# Altium PCB MOTHER_BOARD_LS1021_v1.0.PcbDoc (part 9 of 15) (continued)
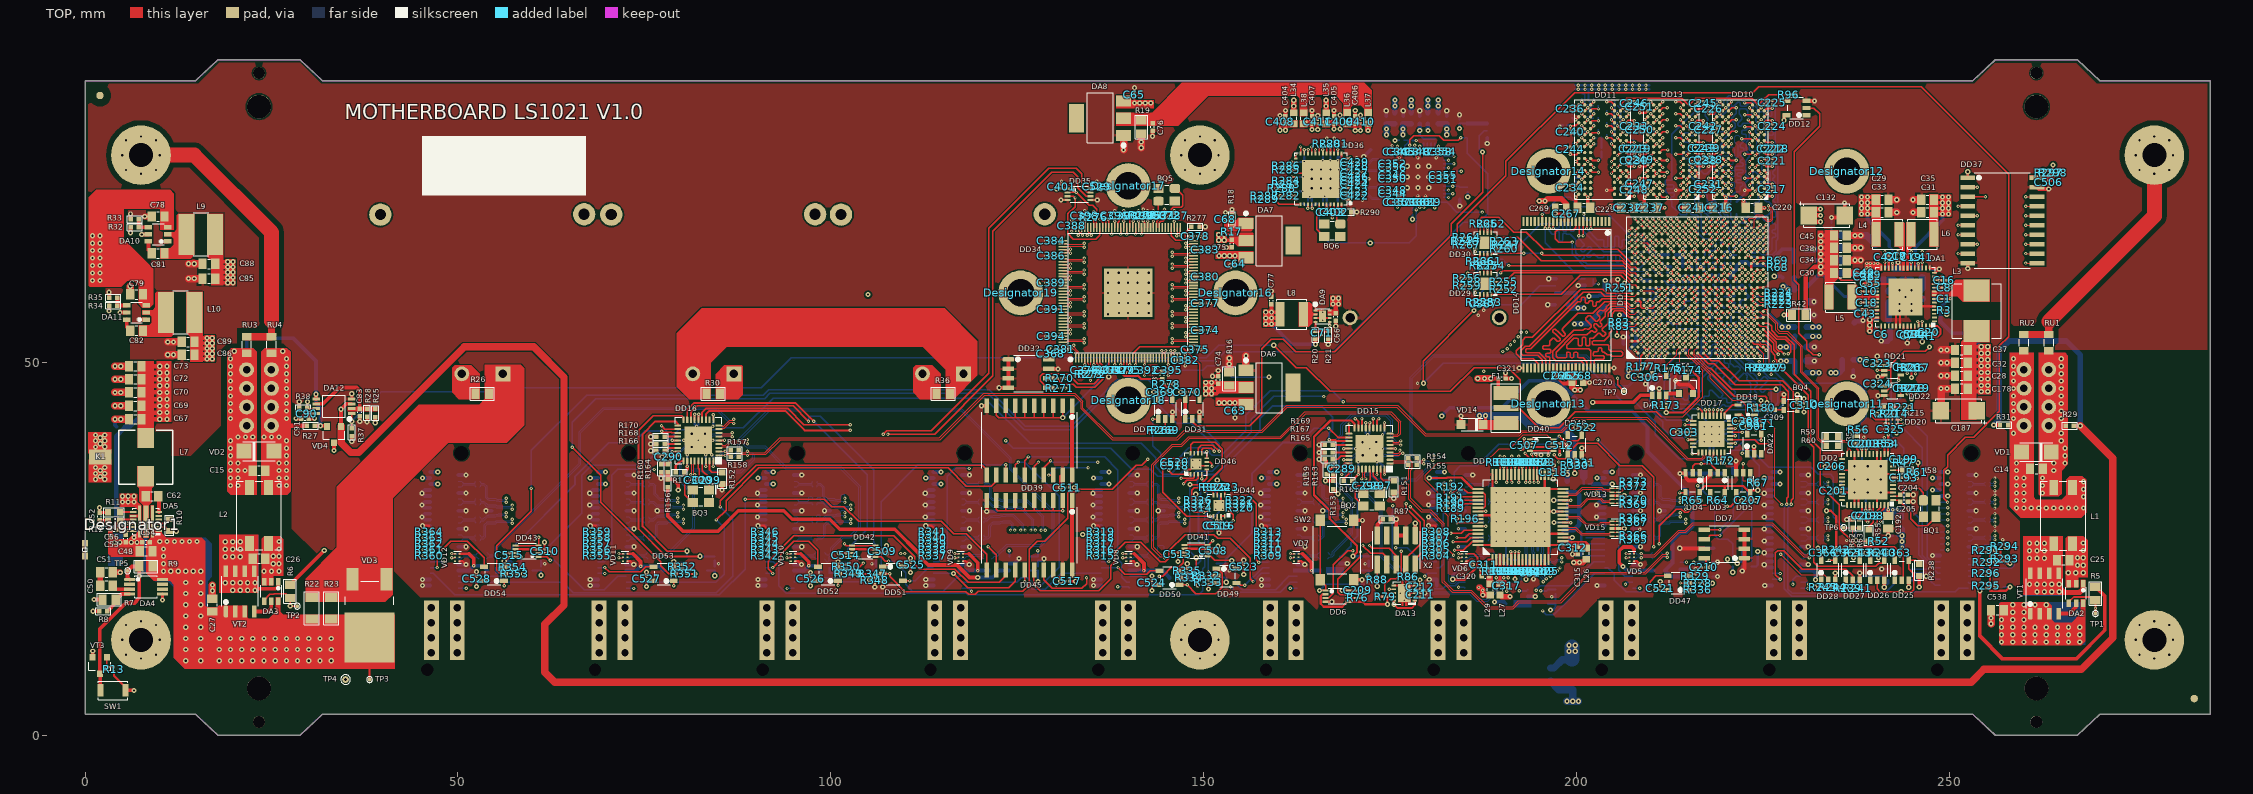
[diagram p0: TOP view]
## Nets (pads, with @x,y where several pads share a name; then routed paths per layer and width w, separated by ;. In a path a pad name is that pad's centre, name@x,y a point inside that pad or via, vN(x,y) a via of type N, cw(c..) or ccw(c..) an arc to the next point about the centre after c; other vN are vias at no path point) (continued)
HUB1_USB2_D_P: DD15.4 R130.2 | length 54.2
  TOP w0.15: DD15.4@175,37.95 175.31,37.95 175.435,37.825 175.779,37.825 176.15,37.825 176.375,38.05 176.375,38.175 v1(176.331,38.219)
  BOTTOM w0.15: v1(176.331,38.219) 176.274,38.161 176.274,37.949 176,37.675 174.15,37.675 173.5,38.325 172.796,38.325 172.521,38.05 171.946,38.05 171.671,38.325 170.871,38.325 169.616,37.069 169.616,34.396 173.675,30.337 173.675,23.926 177.43,20.171 177.43,19.817 178.934,18.312 179.986,18.312 180.248,18.575 180.25,18.575 180.671,18.996 185.654,18.996 186.65,18 188.104,18 190.304,20.2 192.124,20.2 192.261,20.337 192.609,20.685 192.682,20.758 192.682,21.573 192.609,21.646 191.419,22.836 190.816,22.836 190.128,23.524 190.128,23.938 189.791,24.275 189.063,24.275 188.975,24.363 188.975,24.375 R130.2@188.75,24.6
HUB1_USB2_PWR: DA15.1 L19.1
HUB1_USB3_D_N: DD15.6 R131.2 | length 33.7
  TOP w0.15: DD15.6@175,38.95 175.31,38.95 175.435,39.075 176.194,39.075 176.344,38.925 v1(176.425,38.925)
  BOTTOM w0.15: R131.2@166.65,23.65 166.875,23.875 166.875,23.887 166.963,23.975 167.279,23.975 167.513,24.209 167.513,24.534 170.026,27.047 170.026,31.709 167.693,34.042 167.693,39.33 168.644,40.281 168.644,41.52 169.982,42.858 174.378,42.858 175.113,42.123 175.113,39.815 175.853,39.075 176.194,39.075 176.344,38.925 v1(176.425,38.925)
HUB1_USB3_D_P: DD15.7 R132.2 | length 33.7
  TOP w0.15: DD15.7@175,39.45 175.31,39.45 175.435,39.325 176.194,39.325 176.344,39.475 v1(176.425,39.475)
  BOTTOM w0.15: R132.2@166.65,24.55 166.875,24.325 166.875,24.313 166.963,24.225 167.175,24.225 167.263,24.313 167.263,24.638 169.776,27.151 169.776,31.605 167.443,33.938 167.443,39.434 168.394,40.385 168.394,41.623 169.878,43.108 174.482,43.108 175.363,42.227 175.363,39.918 175.956,39.325 176.194,39.325 176.344,39.475 v1(176.425,39.475)
HUB1_USB3_PWR: DA16.1 L20.1
HUB1_USB4_D_N: DD15.8 R133.2 | length 54.6
  TOP w0.15: v1(144.75,23.823) 144.669,23.823 144.519,23.973 144.212,23.973 143.075,25.111 143.075,36.311 145.789,39.025 146.996,39.025 148.031,40.06 160.256,40.06 163.566,43.37 175.134,43.37 176.425,42.079 176.425,40.446 176.054,40.075 175.675,40.075 175.435,40.075 175.31,39.95 DD15.8@175,39.95
  BOTTOM w0.15: R133.2@143.825,23.65 144.05,23.875 144.05,23.887 144.138,23.975 144.517,23.975 144.669,23.823 v1(144.75,23.823)
HUB1_USB4_D_P: DD15.9 R134.2 | length 54.6
  TOP w0.15: v1(144.75,24.373) 144.669,24.373 144.519,24.223 144.316,24.223 143.325,25.214 143.325,36.207 145.893,38.775 147.1,38.775 148.135,39.81 160.36,39.81 163.67,43.12 175.03,43.12 176.175,41.975 176.175,40.55 175.95,40.325 175.779,40.325 175.435,40.325 175.31,40.45 DD15.9@175,40.45
  BOTTOM w0.15: R134.2@143.825,24.55 143.825,25.275 144.05,25.5 144.525,25.5 144.75,25.275 v1(144.75,24.373)
HUB1_USB4_PWR: DA17.1 L21.1
HUB2_USB1_D_N: DD16.1 R135.2 R158.1 | length 71
  TOP w0.15: DD16.1@85,37.55 85.012,37.537 85.806,37.537 v1(85.819,37.525) 85.9,37.525 86.05,37.675 86.262,37.675 86.35,37.587 86.35,37.575 R158.1@86.575,37.35
  BOTTOM w0.15: v1(85.819,37.525) 85.738,37.525 85.588,37.675 85.403,37.675 85.075,37.347 85.075,37.05 85.3,36.825 86.146,36.825 87.525,38.204 87.525,39.629 91.682,43.785 117.598,43.785 124.233,37.15 124.233,35.763 129.95,30.046 129.95,27.071 128.254,25.375 123.704,25.375 122.329,24 122.121,24 121.913,24 121.825,23.912 121.825,23.9 R135.2@121.6,23.675
HUB2_USB1_D_P: DD16.2 R136.2 R157.1 | length 71
  TOP w0.15: DD16.2@85,38.05 85.012,38.062 85.806,38.062 v1(85.819,38.075) 85.9,38.075 86.05,37.925 86.262,37.925 86.35,38.013 86.35,38.025 R157.1@86.575,38.25
  BOTTOM w0.15: v1(85.819,38.075) 85.738,38.075 85.588,37.925 85.3,37.925 84.825,37.45 84.825,36.946 85.196,36.575 86.25,36.575 87.775,38.1 87.775,39.525 91.785,43.535 117.495,43.535 123.983,37.047 123.983,35.66 129.7,29.943 129.7,27.175 128.15,25.625 123.6,25.625 122.225,24.25 121.913,24.25 121.825,24.338 121.825,24.35 R136.2@121.6,24.575
HUB2_USB1_PWR: DA18.1 L22.1 R156.1 | length 56
  TOP w0.5: R156.1@78.15,33.25 78.15,29.4 80.175,27.375 84.87,27.375 87.6,30.104 93.689,30.104 94.827,28.966 99.871,28.966 101.194,27.644 108.567,27.644 111.897,24.314 111.897,24.004 113.063,22.838 116.939,22.838 118.604,21.172 v2(119.723,21.172)
  BOTTOM w0.5: v2(119.723,21.172) 121.716,21.172 122.475,21.931 L22.1@122.475,22.1 DA18.1@123.95,22.1
HUB2_USB2_D_N: DD16.3 R137.2 | length 34.9
  TOP w0.15: DD16.3@85,38.55 85.31,38.55 85.435,38.675 85.671,38.675 86.025,38.675 86.577,39.227 88.594,39.227 88.744,39.077 v1(88.825,39.077)
  BOTTOM w0.15: v1(88.825,39.077) 88.825,38.996 89.021,38.8 91.225,38.8 94.025,36 101.379,36 104.025,33.354 104.025,27.896 102.654,26.525 101.7,26.525 100.25,25.075 100.25,24.368 99.8,23.918 99.8,23.5 99.6,23.3 99.475,23.3 R137.2@99.125,23.65
HUB2_USB2_D_P: DD16.4 R138.2 | length 34.8
  TOP w0.15: DD16.4@85,39.05 85.31,39.05 85.435,38.925 85.921,38.925 86.473,39.477 88.594,39.477 88.744,39.627 v1(88.825,39.627)
  BOTTOM w0.15: v1(88.825,39.627) 88.809,39.627 88.425,39.242 88.425,38.911 88.786,38.55 91.121,38.55 93.921,35.75 101.275,35.75 103.775,33.25 103.775,28 102.55,26.775 101.596,26.775 100,25.179 100,24.471 99.754,24.225 99.438,24.225 99.35,24.313 99.35,24.325 R138.2@99.125,24.55
HUB2_USB2_PWR: DA19.1 L23.1
HUB2_USB3_D_N: DD16.6 R139.2 | length 27.9
  TOP w0.15: DD16.6@85,40.05 85.31,40.05 85.435,40.175 86.569,40.175 86.719,40.025 v1(86.8,40.025)
  BOTTOM w0.15: R139.2@76.55,23.65 76.775,23.875 76.775,23.887 76.863,23.975 77.075,23.975 77.525,23.975 78,23.975 81.775,27.75 81.775,32.304 79.975,34.104 79.975,38.017 81.133,39.175 81.646,39.175 82.021,38.8 82.5,38.8 83.375,39.675 83.759,39.675 84.259,40.175 86.569,40.175 86.719,40.025 v1(86.8,40.025)
HUB2_USB3_D_P: DD16.7 R140.2 | length 27.9
  TOP w0.15: DD16.7@85,40.55 85.31,40.55 85.435,40.425 86.569,40.425 86.719,40.575 v1(86.8,40.575)
  BOTTOM w0.15: R140.2@76.55,24.55 76.775,24.325 76.775,24.313 76.863,24.225 77.896,24.225 81.525,27.854 81.525,32.2 79.725,34 79.725,38.121 81.029,39.425 81.75,39.425 82.125,39.05 82.396,39.05 83.271,39.925 83.656,39.925 84.156,40.425 86.569,40.425 86.719,40.575 v1(86.8,40.575)
HUB2_USB3_PWR: DA20.1 L24.1
HUB2_USB4_D_N: DD16.8 R141.2 | length 47.5
  TOP w0.15: DD16.8@85,41.05 85.31,41.05 85.435,41.175 85.732,41.175 86.531,41.974 86.864,41.974 86.97,41.868 v1(86.97,41.824)
  BOTTOM w0.15: R141.2@53.875,23.65 54.1,23.875 54.1,23.887 54.188,23.975 54.4,23.975 54.804,23.975 55.3,24.471 55.3,25.15 66.5,36.35 66.5,40.6 69.6,43.7 84.599,43.7 86.324,41.974 86.82,41.974 v1(86.97,41.824)
HUB2_USB4_D_P: DD16.9 R142.2 | length 47.5
  TOP w0.15: DD16.9@85,41.55 85.31,41.55 85.435,41.425 85.628,41.425 86.428,42.224 86.864,42.224 86.97,42.33 v1(86.97,42.374)
  BOTTOM w0.15: R142.2@53.875,24.55 54.1,24.325 54.1,24.313 54.188,24.225 54.504,24.225 54.7,24.225 55.05,24.575 55.05,25.254 66.25,36.454 66.25,40.704 69.496,43.95 84.702,43.95 86.428,42.224 86.82,42.224 v1(86.97,42.374)
HUB2_USB4_PWR: DA21.1 L25.1
I2C1_SCL: DA1.54 DD1.N6 DD2.46 DD7.6 DD8.16 DD44.12 DD46.12 R4.1 | length 270.7
  TOP w0.149: v1(150.05,29.925) 150.175,30.05 DD44.12@150.675,30.05
  TOP w0.196: DD46.12@148.25,37.8 148.25,38.95 148.625,39.325 151.55,39.325 152.498,38.377 152.498,38.251 152.498,37.9 152.498,35.868 149.805,33.175 148.725,33.175 148.4,32.85 148.4,30.25 148.725,29.925 v1(150.05,29.925) ; DD1.N6@217.05,55.25 v1(217.45,54.85) ; DD7.6@217.125,26.31 217.6,26.31 217.802,26.512 217.802,26.685 217.917,26.8 v1(219.25,26.8) ; v1(240.15,28.3) 240.35,28.5 240.35,30.12 240.773,30.543 240.773,30.848 DD2.46@240.8,30.875 ; R4.1@246.375,54.1 DA1.54@246.375,54.9 v1(246.375,55.5)
  SIGNAL1 w0.113: v1(219.25,26.8) 227.65,26.8 227.9,27.05 231.767,27.05 232.267,27.55 239.4,27.55 v1(240.15,28.3) 240.86,27.59 240.86,24.278 244.676,20.462 246.352,20.462 247.427,19.387 253.063,19.387 253.6,18.85 256.1,18.85 258.049,20.799 258.451,20.799 259.2,21.549 259.2,28.125 257.275,30.05 257.275,38.021 253.42,41.876 253.42,52.051 249.971,55.5 v1(246.375,55.5)
  SIGNAL2 w0.113: v1(150.05,29.925) 150.638,30.513 150.638,34.663 174.05,58.075 189,58.075 189.5,58.575 191.825,58.575 192.675,59.425 203.741,59.425 204.675,60.359 204.675,61.9 205.206,62.431 215.208,62.431 216.268,61.371 216.268,61.092 216.85,60.51 216.85,55.45 v1(217.45,54.85) 218.631,56.031 219.831,56.031 220.594,55.268 222.408,55.268 222.631,55.492 222.631,56.144 221.868,56.907 221.868,60.292 221.068,61.092 221.068,63.008 222.929,64.868 227.616,64.868 230.898,68.15 245.475,68.15 247.975,65.65 247.975,57.1 v1(246.375,55.5)
  BOTTOM w0.196: v1(219.25,26.8) 219.25,26.825 222.925,30.5 222.925,33.775 223.495,34.345 DD8.16@223.495,35.1
I2C1_SDA: DA1.53 DD1.P6 DD2.47 DD7.5 DD8.15 DD44.13 DD46.13 R2.1 | length 263.2
  TOP w0.196: DD46.13@147.6,37.15 144.975,37.15 144.525,36.7 144.525,32.625 147.75,29.4 v1(150.875,29.4) DD44.13@151.325,29.4 ; DD7.5@217.125,27.58 v1(219.25,27.58) ; DD1.P6@217.85,55.25 v1(218.25,54.85) ; v1(240.775,28.675) 240.775,29.95 241.273,30.448 241.273,30.848 DD2.47@241.3,30.875 ; v1(245.775,55.5) 245.875,55.4 DA1.53@245.875,54.9 R2.1@245.875,54.1
  SIGNAL1 w0.113: v1(219.25,27.58) 219.661,27.169 226.493,27.169 227.55,28.225 232.225,28.225 232.55,27.9 237.125,27.9 238.3,29.075 240.375,29.075 v1(240.775,28.675) 240.775,28.274 241.191,27.857 241.191,24.468 244.824,20.836 246.651,20.836 247.594,19.894 254.144,19.894 254.268,20.018 254.683,20.018 255.275,20.61 255.275,21.6 256,22.325 258.273,22.325 258.8,22.852 258.8,27.3 256.625,29.475 256.625,37.935 252.954,41.607 252.954,51.835 249.812,54.977 246.298,54.977 v1(245.775,55.5)
  SIGNAL2 w0.113: v1(150.875,29.4) 151.046,29.571 151.046,34.415 174.281,57.65 189.125,57.65 189.731,58.256 203.364,58.256 204.975,59.868 204.975,61.375 205.25,61.65 215.15,61.65 215.169,61.631 215.208,61.631 215.45,61.389 215.45,60.95 216.45,59.95 216.45,54.875 216.894,54.431 217.831,54.431 v1(218.25,54.85) 218.314,54.786 218.466,54.786 218.783,54.468 223.208,54.468 223.45,54.71 223.45,59.25 221.868,60.832 221.868,63.008 222.892,64.031 226.65,64.031 227.075,64.456 227.981,64.456 231.25,67.725 244.453,67.725 247.125,65.053 247.125,56.85 v1(245.775,55.5)
  BOTTOM w0.196: v1(219.25,27.58) 220.998,29.328 220.998,31.626 222.225,32.853 DD8.15@222.225,35.1
IFC_AD0/cfg_gpinput0: DD1.A7 DD14.44 | length 24.3
  TOP w0.196: DD14.44@202.4,49.25 202.4,50.25 202.575,50.425 203.574,50.425 203.727,50.578 203.727,50.767 203.594,50.9 202.325,50.9 202.225,51 202.225,51.25 202.4,51.425 202.818,51.425 202.893,51.5 202.893,51.793 203.06,51.96 203.29,51.96 203.4,51.85 203.4,51.575 203.6,51.375 203.75,51.375 204.1,51.025 204.625,51.025 204.806,50.844 206.025,50.844 206.2,51.019 206.2,51.275 206,51.475 204.621,51.475 204.35,51.746 204.35,52.225 204.225,52.35 202.274,52.35 202.125,52.499 202.125,52.75 202.3,52.925 203.727,52.925 204.377,53.575 204.377,53.902 204.777,54.302 204.777,56.552 205.129,56.904 206.221,56.904 207.075,56.05 ; 207.075,56.05 DD1.A7@207.45,56.05 207.075,56.05
IFC_AD1/cfg_gpinput1: DD1.B8 DD14.43 | length 25.3
  TOP w0.149: 206.325,57.2 207.075,56.45 ; 207.075,56.45 207.85,56.45 ; 207.075,56.45 207.85,56.45 ; 207.85,56.45 DD1.B8@208.25,56.85 207.85,56.45
  TOP w0.196: DD14.43@201.9,49.25 201.9,51.594 201.669,51.825 198.803,51.825 198.668,51.96 198.668,52.318 199.625,53.275 199.768,53.275 200.14,53.275 200.264,53.151 200.264,52.399 200.388,52.275 200.636,52.275 200.76,52.399 200.76,53.275 200.76,53.28 200.884,53.404 201.132,53.404 201.256,53.28 201.256,53.275 201.256,52.399 201.38,52.275 201.628,52.275 201.752,52.399 201.752,53.151 201.876,53.275 202,53.275 202.273,53.275 202.444,53.446 202.637,53.639 202.946,53.948 203.1,53.948 203.52,53.529 203.674,53.529 203.906,53.76 203.906,53.915 203.486,54.334 203.486,54.488 204.086,55.088 204.267,55.269 204.267,56.592 204.875,57.2 206.325,57.2
IFC_AD2/cfg_gpinput2: DD1.A8 DD14.42 | length 24.3
  TOP w0.196: DD14.42@201.4,49.25 201.4,50.1 200.9,50.6 200.652,50.6 200.28,50.6 200.156,50.724 200.156,51.272 200.032,51.396 199.784,51.396 199.66,51.272 199.66,50.724 199.536,50.6 199.288,50.6 199.164,50.724 199.164,51.272 199.04,51.396 198.792,51.396 198.668,51.272 198.668,50.724 198.544,50.6 197.6,50.6 197.519,50.6 197.275,50.844 197.275,51.4 199.575,53.7 201.4,53.7 201.537,53.837 201.713,54.013 201.976,54.276 202.151,54.276 202.367,54.061 202.542,54.061 202.717,54.236 202.717,54.411 202.414,54.714 202.29,54.839 202.29,55.014 202.465,55.19 202.64,55.19 202.765,55.065 203.068,54.762 203.243,54.762 203.419,54.937 203.419,55.113 203.203,55.328 203.203,55.503 203.466,55.766 203.817,56.117 203.853,56.153 203.853,56.703 204.671,57.521 206.454,57.521 207.125,56.85 ; 207.125,56.85 DD1.A8@207.45,56.85 207.125,56.85
IFC_AD3/cfg_gpinput3: DD1.B9 DD14.41 | length 25.2
  TOP w0.149: 206.95,57.45 207.15,57.25 ; 207.15,57.25 207.85,57.25 ; 207.15,57.25 207.85,57.25 ; 207.85,57.25 DD1.B9@208.25,57.65 207.85,57.25
  TOP w0.196: DD14.41@200.9,49.25 200.9,49.9 200.575,50.225 197.24,50.225 196.825,50.64 196.825,51.525 199.607,54.307 200.857,54.307 201.092,54.542 201.317,54.542 201.431,54.428 201.656,54.428 201.994,54.766 201.994,54.991 201.767,55.217 201.27,55.714 201.27,55.94 201.608,56.277 201.833,56.277 202.33,55.78 202.556,55.554 202.782,55.554 203.119,55.891 203.119,56.116 202.893,56.343 202.766,56.469 202.766,56.694 203.104,57.032 203.329,57.032 203.456,56.906 203.637,56.906 204.019,57.287 204.019,57.469 204.3,57.75 204.425,57.875 206.525,57.875 206.95,57.45
IFC_AD4/cfg_gpinput4: DD1.A9 DD14.32 | length 24.2
  TOP w0.196: DD14.32@196.4,49.25 196.4,50.525 196.4,50.649 196.276,50.773 196.005,50.773 195.881,50.897 195.881,51.145 196.005,51.269 196.4,51.269 196.524,51.393 196.524,51.641 196.4,51.765 195.583,51.765 195.459,51.889 195.459,52.137 195.583,52.261 196.276,52.261 196.4,52.385 196.4,52.757 196.4,52.816 196.575,52.992 196.838,53.255 197.014,53.255 197.445,52.823 197.621,52.823 197.796,52.999 197.796,53.174 197.277,53.693 196.836,54.134 196.836,54.309 197.012,54.484 197.187,54.484 197.628,54.044 198.147,53.525 198.322,53.525 198.498,53.7 198.498,53.875 198.066,54.307 198.066,54.482 198.304,54.721 200.197,56.614 202.214,56.614 203.771,58.171 206.679,58.171 207.2,57.65 ; 207.2,57.65 DD1.A9@207.45,57.65 207.2,57.65
IFC_AD5/cfg_gpinput5: DD1.A10 DD14.31 | length 24
  TOP w0.196: DD14.31@195.9,49.25 195.9,50.4 195.028,51.272 193.328,51.272 193.2,51.4 193.2,51.675 193.35,51.825 193.85,51.825 200.15,58.125 200.544,58.125 200.668,58.249 200.668,58.623 200.792,58.747 201.04,58.747 201.164,58.623 201.164,58.125 201.164,58.055 201.288,57.931 201.536,57.931 201.66,58.055 201.66,58.125 201.784,58.249 202.032,58.249 202.156,58.125 202.156,57.664 202.28,57.54 202.528,57.54 202.652,57.664 202.652,58.001 202.776,58.125 202.9,58.125 203.075,58.125 203.475,58.525 206.744,58.525 206.819,58.45 DD1.A10@207.45,58.45
IFC_AD6/cfg_gpinput6: DD1.B11 DD14.30 | length 24.5
  TOP w0.149: 206.9,58.85 207.85,58.85 ; 207.85,58.85 DD1.B11@208.25,59.25 207.85,58.85
  TOP w0.196: DD14.30@195.4,49.25 195.4,50.342 194.792,50.95 192.825,50.95 192.625,51.15 192.625,51.668 193.157,52.2 193.675,52.2 200.9,59.425 203.25,59.425 203.825,58.85 206.9,58.85
IFC_AD7/cfg_gpinput7: DD1.A11 DD14.29 | length 24
  TOP w0.196: DD14.29@194.9,49.25 194.9,49.825 194.225,50.5 192.625,50.5 191.95,51.175 191.95,51.575 192.775,52.4 192.775,52.975 193.15,53.35 194.075,53.35 200.575,59.85 203.55,59.85 204.15,59.25 DD1.A11@207.45,59.25
IFC_ALE: DD1.C16 DD14.17 | length 21.2
  TOP w0.196: v1(196.343,67.98) 196.348,67.975 196.348,68.898 196.35,68.9 DD14.17@196.4,68.9 ; v1(208.65,63.65) DD1.C16@209.05,63.25 v1(208.65,63.65)
  BOTTOM w0.196: v1(196.343,67.98) 196.343,67.657 196.788,67.212 197.074,67.212 197.198,67.336 197.198,67.479 197.322,67.603 197.57,67.603 197.694,67.479 197.694,66.413 197.818,66.289 198.066,66.289 198.19,66.413 198.19,67.212 198.311,67.333 198.565,67.333 198.686,67.212 199.188,67.212 199.925,66.475 199.925,65.786 199.746,65.607 199.746,65.359 199.925,65.18 199.925,64.7 200.363,64.262 200.539,64.262 200.681,64.404 200.857,64.404 201.032,64.229 201.032,64.053 200.802,63.823 200.802,63.648 200.977,63.472 201.153,63.472 201.137,63.457 201.168,63.457 201.475,63.15 202.6,63.15 208.15,63.15 v1(208.65,63.65)
IFC_CE: DD1.C17 DD14.9 | length 21.1
  TOP w0.196: v1(200.318,67.003) 200.4,67.085 DD14.9@200.4,68.9 ; v1(208.65,64.45) DD1.C17@209.05,64.05 v1(208.65,64.45)
  BOTTOM w0.149: 207.2,64.048 207.201,64.049 208.249,64.049 v1(208.65,64.45)
  BOTTOM w0.196: v1(200.318,67.003) 200.318,66.626 201.063,65.882 201.063,65.689 200.61,65.236 200.61,65.043 200.803,64.85 200.996,64.85 201.655,65.509 201.848,65.509 202.041,65.316 202.041,65.123 201.931,65.013 201.382,64.464 201.382,64.271 201.575,64.078 201.768,64.078 202.221,64.531 202.414,64.531 202.896,64.048 203.514,64.048 203.651,64.185 203.651,64.33 203.787,64.466 204.06,64.466 204.197,64.33 204.197,63.667 204.333,63.531 204.606,63.531 204.743,63.667 204.743,64.33 204.879,64.466 205.152,64.466 205.289,64.33 205.289,63.667 205.425,63.531 205.698,63.531 205.835,63.667 205.835,64.33 205.971,64.466 206.244,64.466 206.381,64.33 206.381,63.667 206.517,63.531 206.79,63.531 206.927,63.667 206.927,63.912 207.063,64.048 207.2,64.048
IFC_CE2: DD1.D17 DD14.10 | length 21.1
  TOP w0.196: v1(199.45,66.15) 197.6,66.15 197.175,66.575 197.175,67.5 197.475,67.8 199.625,67.8 199.9,68.075 DD14.10@199.9,68.9 ; v1(209.45,63.65) DD1.D17@209.85,64.05 v1(209.45,63.65)
  BOTTOM w0.196: v1(199.45,66.15) 199.45,64.55 201.334,62.666 208.466,62.666 v1(209.45,63.65)
IFC_CLE/cfg_rcw_src8: DD1.E17 DD14.16 DD30.12 | length 34.1
  TOP w0.196: v1(186.425,64.825) DD30.12@186.425,65.275 ; v1(196.9,67.975) DD14.16@196.9,68.9 ; v1(210.25,64.45) DD1.E17@210.65,64.05 v1(210.25,64.45)
  BOTTOM w0.149: 206.6,64.85 209.475,64.85 209.875,64.45 v1(210.25,64.45)
  BOTTOM w0.196: v1(186.425,64.825) 191.447,64.825 195.197,68.575 196.75,68.575 196.9,68.425 v1(196.9,67.975) 197.574,67.975 197.698,68.099 197.698,68.73 197.822,68.854 198.07,68.854 198.194,68.73 198.194,67.753 198.318,67.629 198.566,67.629 198.69,67.753 198.69,68.73 198.814,68.854 199.062,68.854 199.186,68.73 199.186,67.727 199.31,67.603 199.558,67.603 199.682,67.727 199.682,67.851 199.806,67.975 200.518,67.975 203.643,64.849 206.6,64.849
IFC_OE: DD1.E16 DD14.8 | length 24
  TOP w0.196: v1(200.88,67.014) 200.9,67.034 DD14.8@200.9,68.9 ; v1(210.25,63.65) DD1.E16@210.65,63.25 v1(210.25,63.65)
  SIGNAL1 w0.113: v1(200.88,67.014) 200.88,66.52 204.375,63.025 204.827,63.025 204.93,63.128 204.93,63.832 205.033,63.935 205.24,63.935 205.343,63.832 205.343,63.025 205.343,62.218 205.446,62.115 205.653,62.115 205.756,62.218 205.756,63.025 205.756,63.669 205.859,63.772 206.066,63.772 206.169,63.669 206.169,63.025 206.169,62.218 206.272,62.115 206.479,62.115 206.582,62.218 206.582,63.025 206.582,63.669 206.685,63.772 206.892,63.772 206.995,63.669 206.995,63.025 206.995,62.218 207.098,62.115 207.305,62.115 207.408,62.218 207.408,62.922 207.511,63.025 207.614,63.025 209.625,63.025 v1(210.25,63.65)
  BOTTOM w0.196: v1(200.88,67.014) v1@200.886,67.014
IFC_RB: DD1.F16 DD14.7 R125.2 | length 21.6
  TOP w0.196: v1(201.35,67.975) 201.4,68.025 DD14.7@201.4,68.9 ; v1(211.05,63.65) DD1.F16@211.45,63.25 v1(211.05,63.65)
  BOTTOM w0.149: 206.826,66.449 208.85,66.449 209.85,65.449 209.85,65.085 210.086,64.849 210.415,64.849 210.649,64.615 210.649,64.475 210.65,64.474 210.65,64.049 v1(211.05,63.65)
  BOTTOM w0.196: R125.2@201.35,68.5 v1(201.35,67.975) 201.35,67.9 202.8,66.449 203.548,66.449 203.672,66.325 203.672,65.601 203.796,65.477 204.044,65.477 204.168,65.601 204.168,66.449 204.168,66.835 204.292,66.959 204.54,66.959 204.664,66.835 204.664,66.449 204.664,65.601 204.788,65.477 205.036,65.477 205.16,65.601 205.16,66.449 205.16,66.803 205.284,66.927 205.532,66.927 205.656,66.803 205.656,66.449 205.656,65.601 205.78,65.477 206.028,65.477 206.152,65.601 206.152,66.325 206.276,66.449 206.4,66.449 206.826,66.449
IFC_RB2: DD1.F15 DD14.6 R126.2 | length 24.5
  TOP w0.196: v1(201.9,67.975) DD14.6@201.9,68.9 ; v1(211.05,62.85) DD1.F15@211.45,62.45 v1(211.05,62.85)
  SIGNAL1 w0.113: v1(201.9,67.975) 202.197,67.678 202.295,67.58 202.426,67.58 202.668,67.822 202.799,67.822 202.996,67.625 202.996,67.494 202.688,67.187 202.123,66.621 202.123,66.491 202.32,66.294 202.45,66.294 203.016,66.859 203.323,67.167 203.454,67.167 203.651,66.97 203.651,66.839 203.343,66.532 202.778,65.967 202.778,65.836 202.974,65.639 203.105,65.639 203.67,66.204 203.978,66.512 204.109,66.512 204.305,66.316 204.305,66.185 203.998,65.877 203.433,65.312 203.433,65.181 203.629,64.985 203.76,64.985 204.325,65.55 204.633,65.857 204.764,65.857 204.96,65.661 204.96,65.53 204.653,65.222 204.087,64.657 204.087,64.526 204.284,64.33 204.415,64.33 204.915,64.829 205.046,64.829 205.412,64.462 205.8,64.075 207.679,64.075 207.685,64.068 210.356,64.068 210.393,64.031 210.408,64.031 210.65,63.79 210.65,63.25 v1(211.05,62.85)
  BOTTOM w0.196: v1(201.9,67.975) R126.2@201.9,68.5
IFC_WE/cfg_eng_use0: DD1.F14 DD14.18 R248.1 | length 21.6
  TOP w0.196: v1(195.793,67.98) 195.793,68.268 195.9,68.375 DD14.18@195.9,68.9 ; v1(211.05,62.05) DD1.F14@211.45,61.65 v1(211.05,62.05)
  BOTTOM w0.149: 206.75,62.25 209.035,62.25 209.235,62.449 210.175,62.449 210.575,62.05 v1(211.05,62.05)
  BOTTOM w0.196: v1(195.793,67.98) 195.793,66.034 199.577,62.25 206.75,62.25 ; v1(211.05,62.05) R248.1@211.525,62.05
IFC_WP: DD1.E18 DD14.19 | length 21.1
  TOP w0.196: DD14.19@195.4,68.9 v1(195.4,69.85) ; v1(210.25,65.25) DD1.E18@210.65,64.85 v1(210.25,65.25)
  BOTTOM w0.149: 206.849,67.25 208.814,67.25 209.05,67.014 209.05,66.649 210.25,65.45 v1(210.25,65.25)
  BOTTOM w0.196: v1(195.4,69.85) 197.725,72.175 199.2,72.175 200.525,70.85 203.25,70.85 206.849,67.25
IRQ0: DD1.G6 DD8.3 R78.1 | length 39.3
  TOP w0.196: v1(211.85,54.85) DD1.G6@212.25,55.25
  GND+PWR1 w0.113: v1(211.85,54.85) 212.675,54.85 213.06,54.465 213.06,53.89 213.3,53.65 213.75,53.65 213.85,53.55 213.85,46.275 211.543,43.968 211.543,39.907 216.275,35.175 v1(216.275,33.45)
  BOTTOM w0.196: v1(216.275,33.45) 218.525,31.2 218.525,26.825 219.025,26.325 220.3,26.325 220.95,25.675 R78.1@220.95,23.25
IRQ1: DD1.G8 DD44.11 R314.2 | length 75.3
  TOP w0.196: R314.2@149.55,30.55 v1(150.05,30.55) DD44.11@150.675,30.55 ; v1(211.85,56.45) DD1.G8@212.25,56.85
  GND+PWR1 w0.113: v1(150.05,30.55) 150.725,30.55 150.881,30.706 152.866,30.706 176.234,54.075 v1(192.6,54.075)
  SIGNAL2 w0.113: v1(192.6,54.075) 193.1,53.575 203.675,53.575 205.2,55.1 205.85,55.1 206.8,56.05 206.8,56.3 207.606,57.106 208.944,57.106 209.191,56.859 211.441,56.859 v1(211.85,56.45)
JTAG_RST: DD6.1 R88.1 SW2.1 SW2.3 X2.10 | length 22.1
  TOP w0.196: v2(165.546,19.425) DD6.1@166.35,19.425 166.35,20.028 165.65,20.728 SW2.1@165.65,20.875 SW2.3@165.65,28.825 ; X2.10@173.31,22.9 173.31,21.185 173.32,21.175 v2(174,21.175)
  BOTTOM w0.196: v2(165.546,19.425) 166.348,20.227 171.901,20.227 172.849,21.175 v2(174,21.175)
JTAG_TCK: DD1.E8 R86.1 X2.4 | length 64.4
  TOP w0.196: R86.1@177.125,21.275 177.125,23.725 178.443,25.043 178.468,25.043 179.05,25.625 179.05,28.575 177.175,30.45 v1(177.175,31.057) ; v1(210.25,56.45) DD1.E8@210.65,56.85
  GND+PWR1 w0.113: v1(177.175,31.057) 177.175,43.975 186.625,53.425 v1(192.175,53.425)
  SIGNAL2 w0.113: v1(192.175,53.425) 192.525,53.075 203.65,53.075 205.289,54.714 206.839,54.714 207.106,54.981 207.106,56.131 207.825,56.85 208.899,56.85 209.299,56.45 v1(210.25,56.45)
JTAG_TDI: DD1.E7 X2.8 | length 65.4
  TOP w0.196: v1(171.375,25.45) 172.4,24.425 174.025,24.425 174.58,23.87 X2.8@174.58,22.9 ; v1(210.25,55.65) DD1.E7@210.65,56.05
  GND+PWR1 w0.113: v1(171.375,25.45) 171.9,25.975 173.775,25.975 178.2,30.4 178.2,43.375 186.682,51.857 190.668,51.857 v1(190.7,51.825)
  SIGNAL2 w0.113: v1(190.7,51.825) 191.05,51.475 205.55,51.475 207.45,53.375 207.45,54.225 207.693,54.468 208.808,54.468 209.068,54.729 209.068,55.02 209.317,55.268 209.675,55.268 210.057,55.65 v1(210.25,55.65)
JTAG_TDO: DD1.F7 X2.6 | length 65.2
  TOP w0.196: v1(172.25,25.45) 172.625,25.075 174.875,25.075 175.85,24.1 X2.6@175.85,22.9 ; v1(211.05,55.65) DD1.F7@211.45,56.05
  GND+PWR1 w0.113: v1(172.25,25.45) 173.675,25.45 178.625,30.4 178.625,42.825 187.275,51.475 v1(190.1,51.475)
  SIGNAL2 w0.113: v1(190.1,51.475) 190.525,51.05 205.7,51.05 208.318,53.668 208.808,53.668 209.068,53.929 209.068,54.208 209.31,54.45 209.59,54.45 209.831,54.692 209.831,54.981 210.118,55.268 210.408,55.268 210.79,55.65 v1(211.05,55.65)
JTAG_TMS: DD1.F8 X2.2 | length 62.1
  TOP w0.196: v1(177.725,30.658) 179.6,28.783 179.6,24.8 178.39,23.59 X2.2@178.39,22.9 ; v1(211.05,56.45) DD1.F8@211.45,56.85
  GND+PWR1 w0.113: v1(177.725,30.658) 177.725,43.825 186.725,52.825 v1(191.7,52.825)
  SIGNAL2 w0.113: v1(191.7,52.825) 192.025,52.5 203.5,52.5 205.501,54.501 206.928,54.501 207.319,54.892 207.319,55.701 207.678,56.06 210.66,56.06 v1(211.05,56.45)
JTAG_TRST: DD1.F6 DD6.3 | length 69.9
  TOP w0.196: DD6.3@166.35,18.425 166.756,18.425 167.411,19.08 167.411,22.854 169.307,24.75 v1(170.025,24.75) ; v1(211.05,54.85) DD1.F6@211.45,55.25
  GND+PWR1 w0.113: v1(170.025,24.75) 170.31,25.035 173.81,25.035 179.125,30.35 179.125,35.3 179.925,36.1 179.925,43.15 185.575,48.8 v1(187.55,48.8)
  SIGNAL2 w0.113: v1(187.55,48.8) 189.55,50.8 205.807,50.8 207.875,52.868 208.808,52.868 209.068,53.129 209.068,53.408 209.292,53.631 209.571,53.631 209.868,53.929 209.868,54.208 210.092,54.431 210.371,54.431 210.79,54.85 v1(211.05,54.85)
MDC: DD21.2 DD22.2 DD23.2 DD31.2 R226.2 R228.1 | length 191.2
  TOP w0.196: DD31.2@148.5,42.4 148.5,42.08 149.066,41.514 156.167,41.514 157.802,43.149 157.802,51.827 159.1,53.125 160.7,53.125 162.377,51.448 167.598,51.448 183.21,67.06 183.21,68.629 187.408,72.828 v2@187.408,78.207 ; v1(224.525,48.4) R228.1@224.525,49 R226.2@225.1,49 ; v1(240.328,48.954) 240.331,48.95 DD21.2@241.275,48.95 242.118,48.95 ; DD22.2@241.275,46.2 241.593,46.2 242.118,46.725 242.118,48.95 ; v2(247.347,52.07) 246.773,51.496 243.941,51.496 242.118,49.673 242.118,48.95
  SIGNAL1 w0.113: v1(224.525,48.4) 225.395,49.27 238.869,49.27 239.185,48.954 v1(240.328,48.954)
  SIGNAL2 w0.113: v2(187.402,78.21) 188.885,78.21 196.758,86.083 202.972,86.083 203.139,86.249 203.711,86.249 203.717,86.243 209.483,86.243 210.411,87.172 231.581,87.172 248.228,70.525 248.228,66.668 251.312,63.583 251.312,56.036 v2(247.347,52.07)
  BOTTOM w0.196: v2(187.402,78.21) 186.981,78.631 186.981,80.428 187.653,81.1 DD23.2@188.025,81.1